# Altium PCB uC.PcbDoc
Units mil, origin at the board's own origin, x right, y up, seen from the top; angles counter-clockwise.
Board outline 3937.01 x 1062.99 mil, 2 copper layers (Top Layer, Bottom Layer); 91 components, 108 nets, 374 pads, 194 vias.
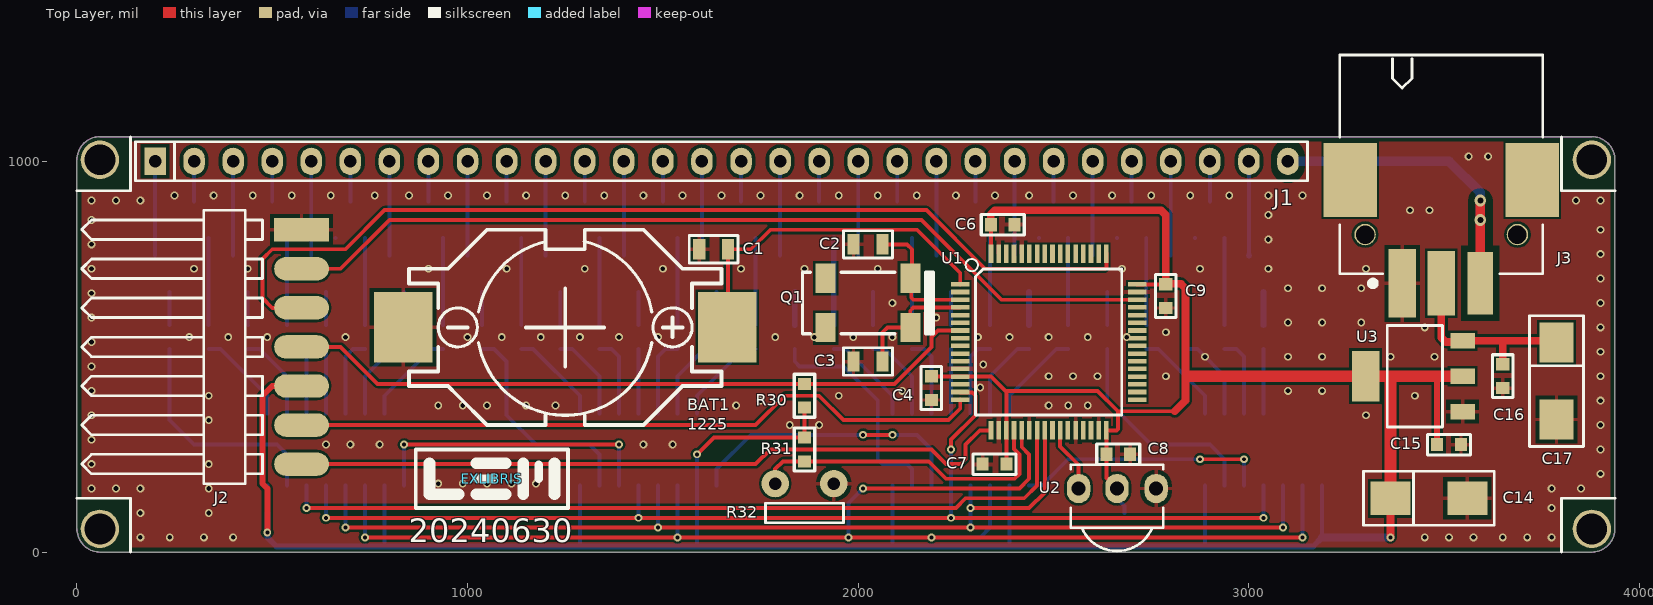
[diagram p0: Top Layer view]
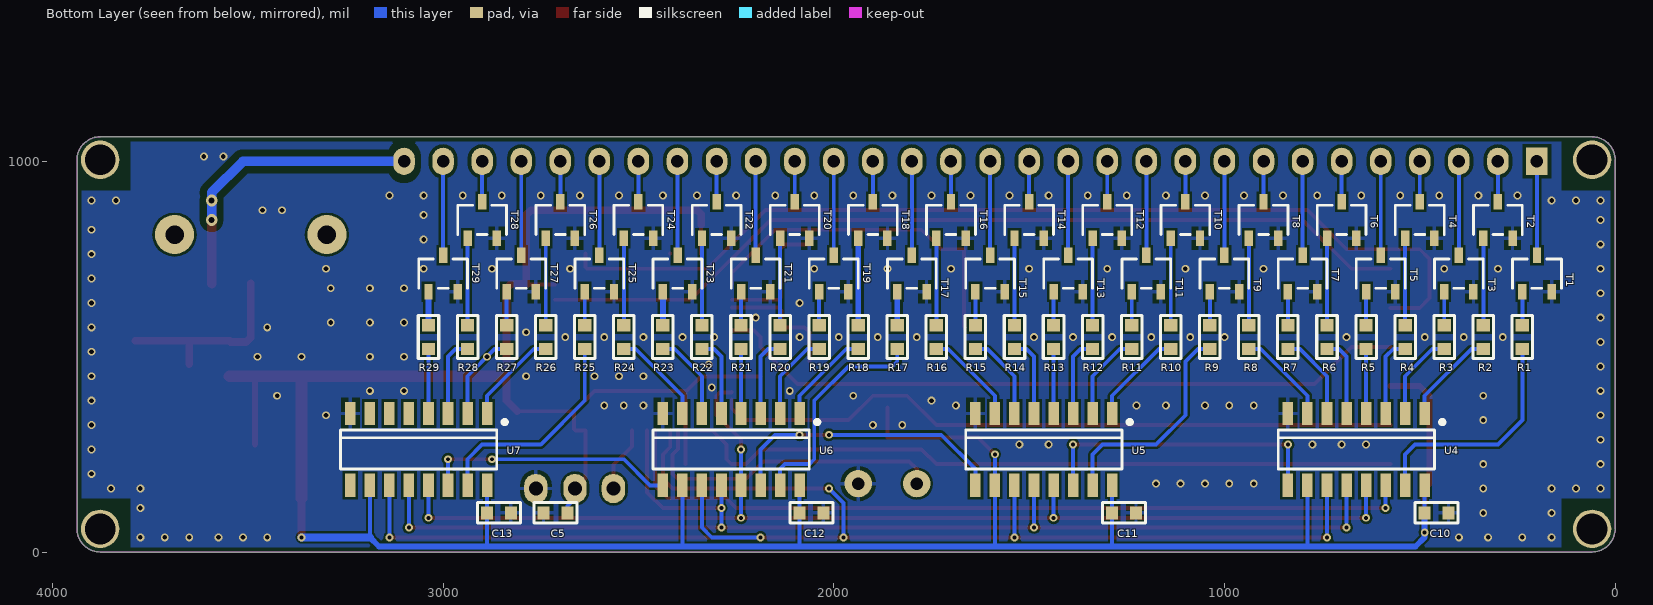
[diagram p1: Bottom Layer view, seen from below]

## Layer stack, top to bottom
Top Solder: solder mask 0.4, Solder Resist, Dk 3.5
Top Layer: signal copper 1.4
Dielectric 1: dielectric 12.6, FR-4, Dk 4.8
Bottom Layer: signal copper 1.4
Bottom Solder: solder mask 0.4, Solder Resist, Dk 3.5

## Board outline
59.06,0 cw(c59.06,59.06) 0,59.06 0,1003.94 cw(c59.06,1003.94) 59.06,1062.99 3877.95,1062.99 cw(c3877.95,1003.94) 3937.01,1003.94 3937.01,59.06 cw(c3877.95,59.06) 3877.95,0

## Design rules (kind name [scope] priority, off if disabled: settings)
Clearance [All] p1: gap=6 ignorepadtopadclearanceinfootprint=TRUE
ComponentClearance [All] p1: gap=-10 collisioncheckmode=3 verticalgap=100000 showdistances=TRUE
HoleSize [All] p1: absolutevalues=TRUE maxlimit=200 minlimit=10 maxpercent=80.000 minpercent=20.000
HoleToHoleClearance [All] p1: gap=4 allowstackedmicrovias=TRUE
MinimumSolderMaskSliver [All] p1: minsoldermaskwidth=8
PlaneClearance [All] p1: clearance=15
PlaneConnect [All] p1: pad.planeconnectstyle=Relief pad.reliefexpansion=20 pad.reliefentries=4 pad.reliefconductorwidth=10 pad.reliefairgap=15 via.planeconnectstyle=Direct via.reliefexpansion=20 via.reliefentries=4 via.reliefconductorwidth=10 via.reliefairgap=10
PolygonConnect [All] p1: thpad.connectstyle=Relief thpad.reliefconductorwidth=10 thpad.reliefentries=4 thpad.polygonreliefangle="90 Angle" thpad.airgapwidth=10 smdpad.connectstyle=Relief smdpad.reliefconductorwidth=10 smdpad.reliefentries=4 smdpad.polygonreliefangle="90 Angle" smdpad.airgapwidth=10 via.connectstyle=Direct via.reliefconductorwidth=10 via.reliefentries=4 via.polygonreliefangle="90 Angle" via.airgapwidth=10
RoomDefinition uC [InComponentClass('uC')] p1: confinementstyle=ConfineIn formatcopy=TRUE lockcomponents=FALSE outline -50,-50 3987.5,-50 3987.5,1306.25 -50,1306.25
RoutingCorners [All] p1: cornerstyle=45-Degree minsetback=25 maxsetback=25
RoutingVias [All] p1: holewidth=15 width=30 viastyle="Through Hole" minholewidth=10 minwidth=30 maxholewidth=25 maxwidth=30
ShortCircuit [All] p1: allowed=TRUE
SilkToSilkClearance [All] p1: silktosilkclearance=5
SilkToSolderMaskClearance [IsPad] p1: minsilkscreentomaskgap=8 clearancetoexposedcopper=TRUE
SolderMaskExpansion [All] p1: expansion=4 istentingtop=FALSE
UnRoutedNet [All] p1: checkbadconnections=TRUE
Width [All] p1: maxlimit=50 minlimit=10 preferedwidth=20
19 further rules are at their usual default settings.

## Components (designator, comment, footprint, x,y, rotation, side; value= is the part's Value field where it differs from the comment)
BAT1 "1225" SMTU-1225 1250,575 r180 top
C1 "1u0" C_SMD_0805 1630,775 r0 top
C2 "6p2" C_SMD_0805 2025,787.5 r0 top
C3 "6p2" C_SMD_0805 2025,487.5 r0 top
C4 "0u1" C_SMD_0603 2187.5,419.5 r270 top
C5 "0u1" C_SMD_0603 2712.5,100 r180 bottom
C6 "0u1" C_SMD_0603 2370,837.5 r180 top locked
C7 "0u1" C_SMD_0603 2349,225 r0 top
C8 "0u1" C_SMD_0603 2665.64,250 r180 top
C9 "0u1" C_SMD_0603 2787.5,655 r270 top locked
C10 "0u1" C_SMD_0603 457,100 r0 bottom locked
C11 "0u1" C_SMD_0603 1257,100 r0 bottom locked
C12 "0u1" C_SMD_0603 2057,100 r0 bottom locked
C13 "0u1" C_SMD_0603 2857,100 r0 bottom
C14 "10u" CE_T_SMC_6032_28 3460.93,137.5 r0 top
C15 "0u1" C_SMD_0603 3512.5,275 r180 top
C16 "0u1" C_SMD_0603 3650,450 r90 top
C17 "10u" CE_T_SMC_6032_28 3787.5,437.5 r270 top
EXLIBRIS "EXLIBRIS" EXLBS_2 1062.5,187.5 r0 top
J1 "30pin" SIL30 1650.11,1000.01 r0 top
J2 "7pin" SIL7_SMD_HORIZONTAL 575,525 r0 top
J3 "Con3" TE_147323-2 3492.5,687.5 r0 top
Q1 "32768" XTAL_3 2025,637.5 r180 top
R1 "15K" R_SMD_0603 237.5,550 r90 bottom
R2 "15K" R_SMD_0603 337.5,550 r90 bottom
R3 "15K" R_SMD_0603 437.5,550 r90 bottom
R4 "15K" R_SMD_0603 537.5,550 r90 bottom
R5 "15K" R_SMD_0603 637.5,550 r90 bottom
R6 "15K" R_SMD_0603 737.5,550 r90 bottom
R7 "15K" R_SMD_0603 837.5,550 r90 bottom
R8 "15K" R_SMD_0603 937.5,550 r270 bottom
R9 "15K" R_SMD_0603 1037.5,550 r90 bottom
R10 "15K" R_SMD_0603 1137.5,550 r90 bottom
R11 "15K" R_SMD_0603 1237.5,550 r90 bottom
R12 "15K" R_SMD_0603 1337.5,550 r90 bottom
R13 "15K" R_SMD_0603 1437.5,550 r270 bottom
R14 "15K" R_SMD_0603 1537.5,550 r90 bottom
R15 "15K" R_SMD_0603 1637.5,550 r90 bottom
R16 "15K" R_SMD_0603 1737.5,550 r90 bottom
R17 "15K" R_SMD_0603 1837.5,550 r90 bottom
R18 "15K" R_SMD_0603 1937.5,550 r270 bottom
R19 "15K" R_SMD_0603 2037.5,550 r90 bottom
R20 "15K" R_SMD_0603 2137.5,550 r90 bottom
R21 "15K" R_SMD_0603 2237.5,550 r90 bottom
R22 "15K" R_SMD_0603 2337.5,550 r90 bottom
R23 "15K" R_SMD_0603 2437.5,550 r270 bottom
R24 "15K" R_SMD_0603 2537.5,550 r90 bottom
R25 "15K" R_SMD_0603 2637.5,550 r90 bottom
R26 "15K" R_SMD_0603 2737.5,550 r90 bottom
R27 "15K" R_SMD_0603 2837.5,550 r90 bottom
R28 "15K" R_SMD_0603 2937.5,550 r270 bottom
R29 "15K" R_SMD_0603 3037.5,550 r90 bottom
R30 "10K" R_SMD_0603 1862.5,400 r90 top
R31 "10K" R_SMD_0603 1862.5,262.5 r270 top
R32 "PhotoRes" R_PHOTO_V 1862.5,175 r0 top
T1 "A42" "SOT-23 - Basic" 200,712.5 r180 bottom
T2 "A42" "SOT-23 - Basic" 300,850 r180 bottom
T3 "A42" "SOT-23 - Basic" 400,712.5 r180 bottom
T4 "A42" "SOT-23 - Basic" 500,850 r180 bottom
T5 "A42" "SOT-23 - Basic" 600,712.5 r180 bottom
T6 "A42" "SOT-23 - Basic" 700,850 r180 bottom
T7 "A42" "SOT-23 - Basic" 800,712.5 r180 bottom
T8 "A42" "SOT-23 - Basic" 900,850 r180 bottom
T9 "A42" "SOT-23 - Basic" 1000,712.5 r180 bottom
T10 "A42" "SOT-23 - Basic" 1100,850 r180 bottom
T11 "A42" "SOT-23 - Basic" 1200,712.5 r180 bottom
T12 "A42" "SOT-23 - Basic" 1300,850 r180 bottom
T13 "A42" "SOT-23 - Basic" 1400,712.5 r180 bottom
T14 "A42" "SOT-23 - Basic" 1500,850 r180 bottom
T15 "A42" "SOT-23 - Basic" 1600,712.5 r180 bottom
T16 "A42" "SOT-23 - Basic" 1700,850 r180 bottom
T17 "A42" "SOT-23 - Basic" 1800,712.5 r180 bottom
T18 "A42" "SOT-23 - Basic" 1900,850 r180 bottom
T19 "A42" "SOT-23 - Basic" 2000,712.5 r180 bottom
T20 "A42" "SOT-23 - Basic" 2100,850 r180 bottom
T21 "A42" "SOT-23 - Basic" 2200,712.5 r180 bottom
T22 "A42" "SOT-23 - Basic" 2300,850 r180 bottom
T23 "A42" "SOT-23 - Basic" 2400,712.5 r180 bottom
T24 "A42" "SOT-23 - Basic" 2500,850 r180 bottom
T25 "A42" "SOT-23 - Basic" 2600,712.5 r180 bottom
T26 "A42" "SOT-23 - Basic" 2700,850 r180 bottom
T27 "A42" "SOT-23 - Basic" 2800,712.5 r180 bottom
T28 "A42" "SOT-23 - Basic" 2900,850 r180 bottom
T29 "A42" "SOT-23 - Basic" 3000,712.5 r180 bottom
U1 "STM32F100R6T6" LQFP-674 2487.5,537.5 r270 top
U2 "TSOP2236" TSOP-2236 2662.5,162.5 r0 top
U3 "LD1117AS33" SOT-223 3425,450 r90 top
U4 "74HC595" SO-16_150 662.5,262.5 r0 bottom locked
U5 "74HC595" SO-16_150 1462.5,262.5 r0 bottom locked
U6 "74HC595" SO-16_150 2262.5,262.5 r0 bottom locked
U7 "74HC595" SO-16_150 3062.5,262.5 r0 bottom locked

## Footprints (in the part's own frame and the unit in brackets; to place one, negate y for a bottom-side part, rotate by r counter-clockwise, add the part's x,y. Pads: shape width x height; smd on the part's side, far side on the other; paste and mask are expansions set on the pad)
C_SMD_0603 [mil] "Metric Size - 1608"
  rect 31x34 smd: 1(-30.5,0) 2(30.5,0)
  silkscreen extent -55,-26 55,26, body extent -30,-15 30,15, height 20
C_SMD_0805 [mil] "Metric Size - 2012"
  rect 31x52 smd: 1(-37,0) 2(37,0)
  silkscreen extent -62,-35 62,35, body extent -40,-25 40,25, height 30
CE_T_SMC_6032_28 [mm] "Tantalum Cap Housing SMC type"
  rect 2.6x2.2 smd: 1(2.5,0) 2(-2.5,0)
  silkscreen extent -4.25,-1.75 4.25,1.75, body extent -3,-1.6 3,1.6, height 2.84
EXLBS_2 [mil] "Exlibris TOP Layer Hight = 180mil"
  silkscreen extent -195,-75 195,75
LQFP-674 [mm] "LQFP64 – 10 x 10 mm 64 pin low-profile quad flat package"
  rect 0.3x1.2 smd mask+0.05: 1(-3.75,-5.75) 2(-3.25,-5.75) 3(-2.75,-5.75) 4(-2.25,-5.75) 5(-1.75,-5.75) 6(-1.25,-5.75) 7(-0.75,-5.75) 8(-0.25,-5.75) 9(0.25,-5.75) 10(0.75,-5.75) 11(1.25,-5.75) 12(1.75,-5.75) 13(2.25,-5.75) 14(2.75,-5.75) 15(3.25,-5.75) 16(3.75,-5.75) 33(3.75,5.75) 34(3.25,5.75) 35(2.75,5.75) 36(2.25,5.75) 37(1.75,5.75) 38(1.25,5.75) 39(0.75,5.75) 40(0.25,5.75) 41(-0.25,5.75) 42(-0.75,5.75) 43(-1.25,5.75) 44(-1.75,5.75) 45(-2.25,5.75) 46(-2.75,5.75) 47(-3.25,5.75) 48(-3.75,5.75)
  rect 1.2x0.3 smd mask+0.05: 17(5.75,-3.75) 18(5.75,-3.25) 19(5.75,-2.75) 20(5.75,-2.25) 21(5.75,-1.75) 22(5.75,-1.25) 23(5.75,-0.75) 24(5.75,-0.25) 25(5.75,0.25) 26(5.75,0.75) 27(5.75,1.25) 28(5.75,1.75) 29(5.75,2.25) 30(5.75,2.75) 31(5.75,3.25) 32(5.75,3.75) 49(-5.75,3.75) 50(-5.75,3.25) 51(-5.75,2.75) 52(-5.75,2.25) 53(-5.75,1.75) 54(-5.75,1.25) 55(-5.75,0.75) 56(-5.75,0.25) 57(-5.75,-0.25) 58(-5.75,-0.75) 59(-5.75,-1.25) 60(-5.75,-1.75) 61(-5.75,-2.25) 62(-5.75,-2.75) 63(-5.75,-3.25) 64(-5.75,-3.75)
  silkscreen extent -5.4,-5.4 4.75,4.75, body extent -6,-6 6,6, height 1.6
R_PHOTO_V [mil] "Photoresistor Dia=5mm Vertical"
  round 70 hole 32: 1(-75,0) 2(75,0)
  silkscreen extent -100,-100 100,-50, body extent -100,-98 100,16, height 177
R_SMD_0603 [mil] "Metric Size - 1608"
  rect 31x34 smd: 1(-30.5,0) 2(30.5,0)
  silkscreen extent -55,-26 55,26, body extent -31,-16 31,16, height 18
SIL7_SMD_HORIZONTAL [mil] "TSM10702LSH"
  rect 140x60 smd: 1(0,300)
  oval 140x60 smd: 2(0,200) 3(0,100) 4(0,0) 5(0,-100) 6(0,-200) 7(0,-300)
  silkscreen extent -562,-350 -100,350, body extent -565,-350 53,350, height 118
SIL30 [mil] "Obudowa serial 30 pin"
  rect 55x70 hole 32: 1(-1450.11,-0.01)
  oval 55x70 hole 32: 2(-1350.11,-0.01) 3(-1250.11,-0.01) 4(-1150.11,-0.01) 5(-1050.11,-0.01) 6(-950.11,-0.01) 7(-850.11,-0.01) 8(-750.11,-0.01) 9(-650.11,-0.01) 10(-550.11,-0.01) 11(-450.11,-0.01) 12(-350.11,-0.01) 13(-250.11,-0.01) 14(-150.11,-0.01) 15(-50.11,-0.01) 16(50,0) 17(150,0) 18(250,0) 19(350,0) 20(450,0) 21(550,0) 22(650,0) 23(750,0) 24(850,0) 25(950,0) 26(1050,0) 27(1150,0) 28(1250,0) 29(1350,0) 30(1450,0)
  silkscreen extent -1500,-50 1500,50, body extent -1500,-50 1500,50, height 309
SMTU-1225 [mil] "Battery holder for 1225 cell battery"
  rect 150x180 smd: 1(-415,0) 2(415,0)
  silkscreen extent -400,-250 400,250, body extent -463,-239 463,246, height 194
SO-16_150 [mil] "SO-16, 150mil wide"
  rect 27x60 smd mask+1.97: 1(-175,-92) 2(-125,-92) 3(-75,-92) 4(-25,-92) 5(25,-92) 6(75,-92) 7(125,-92) 8(175,-92) 9(175,92) 10(125,92) 11(75,92) 12(25,92) 13(-25,92) 14(-75,92) 15(-125,92) 16(-175,92)
  silkscreen extent -225,-75 200,50, body extent -195,-118 195,118, height 55
"SOT-23 - Basic" [mm] "Small Outline Transistor package"
  rect 0.55x1 smd: 1(-0.95,-1.185) 2(0.95,-1.185) 3(0,1.185)
  silkscreen extent -1.59,-0.95 1.59,0.95, body extent -1.5,-1.15 1.5,1.15, height 1.08
SOT-223 [mm] "SOT-223 reference pattern layout"
  rect 1x1.6 smd mask+0.08: 1(-2.3,-3.1) 2(0,-3.1) 3(2.3,-3.1)
  rect 3.3x1.8 smd mask+0.08: 2(0,3.2)
  silkscreen extent -3.3,-1.8 3.3,1.8, body extent -3.25,-3.38 3.25,3.58, height 1.66
TE_147323-2 [mil] "AMPMODU MTE 3pin"
  rect 136x190 smd: 0(-233,265) 0(233,265)
  round 55 / inner round 65 / far side round 100 hole 47.24: 0(-195,125) 0(195,125)
  rect 70x175 smd: 1(-100,0)
  rect 70x165 smd: 2(0,0)
  rect 65x160 smd: 3(100,0)
  silkscreen extent -260,-8 260,585, body extent -264,-75 264,580, height 291
TSOP-2236 [mm] "IR Receiver Modules for Remote Control"
  oval 1.524x1.905 hole 0.9: 1(-2.5,0) 2(0,0) 3(2.54,0)
  silkscreen extent -3,-4.06 3,1.55, body extent -3,-4.25 3,1.55, height 10.38
XTAL_3 [mm] "ABS25 Series - Land Pattern"
  rect 1.3x1.9 smd mask+0.08: 0(2.75,1.6) 0(2.75,-1.6) 1(-2.75,-1.6) 2(-2.75,1.6)
  silkscreen extent -4.25,-2 4.25,2, body extent -4.2,-2.05 4.2,2.05, height 2.65

## Part data
BAT1: library part BAT_3V, "Bateria Litowa 3V"
C1 C2 C3 C4 C5 C6 C7 C8 C9 C10 C11 C12 C13 C15 C16: library part C, "Kondensator monolityczny"
C14 C17: library part CE, "Kondensator elektrolityczny"
EXLIBRIS: library part EXLBR
J1: library part "CON 30pin"
J2: library part "CON 7pin", "Connector 7pin"
J3: library part "CON 3pin", "Connector 3pin"
Q1: library part Q, "Rezonator kwarcowy"
R1 R2 R3 R4 R5 R6 R7 R8 R9 R10 R11 R12 R13 R14 R15 R16 R17 R18 R19 R20 R21 R22 R23 R24 R25 R26 R27 R28 R29 R30 R31: library part R, "Resistor"
R32: library part R_Ph, "Photo resistor"
T1 T2 T3 T4 T5 T6 T7 T8 T9 T10 T11 T12 T13 T14 T15 T16 T17 T18 T19 T20 T21 T22 T23 T24 T25 T26 T27 T28 T29: library part MMBTA42, "High Voltage NPN transistor"
U2: library part "IR Reciver"
U3: library part AMS1117_3V3
U4 U5 U6 U7: library part 74595, "8-bit shift registers with 3-state output"

## Free pads (board coordinates)
  round 98.43 hole 78.74: 0(59.06,59.06) 0(59.06,1003.94) 0(3877.95,59.06) 0(3877.95,1003.94)

## Via types
v1: diameter 20, hole 12, Top Layer to Bottom Layer, tented both sides, 166 vias
v2: diameter 20, hole 10, Top Layer to Bottom Layer, tented both sides, 26 vias
v3: diameter 30, hole 15, Top Layer to Bottom Layer, tented both sides, 2 vias

## Nets (pads, with @x,y where several pads share a name; then routed paths per layer and width w, separated by ;. In a path a pad name is that pad's centre, name@x,y a point inside that pad or via, vN(x,y) a via of type N, cw(c..) or ccw(c..) an arc to the next point about the centre after c; other vN are vias at no path point)
+3V3: C4.1 C5.2 C6.2 C7.2 C8.2 C9.1 C10.2 C11.2 C12.2 C13.2 C14.2 C15.2 J2.5 R30.1 R31.1 U1.13 U1.19 U1.32 U1.48 U1.64 U2.2 U3.2 U4.10 U4.16 U5.10 U5.16 U6.10 U6.16 U7.10 U7.16 | length 8657.5
  Top Layer w10: v2(1587.5,250) 1630.5,293 R31.1 R30.1 ; C4.1@2187.5,448.92 U1.13 2339.86,448.92 2379.23,409.55 U1.19 2379.23,225.27 C7.2 ; U1.64 C6.2@2339.86,837.5 ; 2379.23,412.5 2612.5,412.5 2664.67,360.33 ; U2.2 2635.14,189.86 C8.2 U1.32 2661.12,311.12 2664.67,314.67 2664.67,360.33 ; U1.48 C9.1@2787.14,685.14 ; 2810.33,360.33 2664.67,360.33
  Top Layer w15: v2(487.5,50) 487.5,162.5 475,175 475,400 500,425 J2.5 ; 3475,450 3482,443 C15.2
  Top Layer w20: C6.2 2339.5,864.5 2350,875 2775,875 2787.14,862.86 C9.1@2787.14,685.14 ; C9.1 C9.1@2788.5,686.5 ; C9.1@2789.5,687.5 C9.1@2788.5,686.5 ; 2810.33,360.33 2837.5,387.5 2837.5,675 2826,686.5 C9.1@2788.5,686.5 ; v2(3362.5,37.5) C14.2
  Top Layer w30: 2850,450 3299.02,450 3362.5,450 ; C14.2 3362.5,450 ; U3.2@3547.05,450 3475,450 3362.5,450
  Bottom Layer w10: C10.2 U4.16 ; 787.5,14 U4.10 ; 1287.5,14 C11.2 U5.16 ; 1587.5,14 U5.10 v2(1587.5,250) ; 2087.5,14 C12.2 U6.16 ; 2387.5,14 U6.10 ; U2.2@2662.5,175 U2.2 2662.5,137.5 2682,118 C5.2 ; 2887.5,14 C13.2 U7.16 ; 3187.5,37.5 U7.10
  Bottom Layer w15: C10.2 v2(487.5,50) 487.5,37.5 511,14 787.5,14 1287.5,14 1587.5,14 2087.5,14 2387.5,14 2887.5,14 3164,14 3187.5,37.5
  Bottom Layer w20: 3187.5,37.5 v2(3362.5,37.5)
+12V: C16.2 C17.2 J3.2 U3.3 | length 499.5
  Top Layer w20: J3.2 3492.5,549.22 3504.22,537.5 3544,537.5 U3.3 3650,540.55 ; C16.2 3650,540.55 ; C17.2@3787.5,540.55 3650,540.55
+170V: J1.30 J3.3 | length 808
  Top Layer w25: J3.3 v3(3592.5,850) v3(3592.5,900)
  Bottom Layer w25: J1.30 3512.49,1000.01 3592.5,920 v3(3592.5,900) v3(3592.5,850)
DG1: R1.1 U4.15 | length 597.7
  Bottom Layer w10: R1.1 237.5,337.5 300,275 512.5,275 537.5,250 U4.15
DG2: R2.1 U4.1 | length 245
  Bottom Layer w10: R2.1 368,519.5 487.5,400 U4.1
DM0: R19.1 U6.2 | length 224.3
  Bottom Layer w10: R19.1 2068,519.5 2137.5,450 U6.2
DM1: R14.1 U5.5 | length 203.6
  Bottom Layer w10: U5.5 1487.5,500 1507,519.5 R14.1
DM2: R15.1 U5.6 | length 224.3
  Bottom Layer w10: U5.6 1537.5,450 1607,519.5 R15.1
DM3: R16.1 U5.7 | length 245
  Bottom Layer w10: U5.7 1587.5,400 1707,519.5 R16.1
DM4: R17.1 U6.15 | length 575.8
  Bottom Layer w10: R17.1 1837.5,487.5 1850,475 1962.5,475 2050,387.5 2050,237.5 2062.5,225 2125,225 2137.5,212.5 U6.15
DM5: R18.2 U6.1 | length 245
  Bottom Layer w10: R18.2 1968,519.5 2087.5,400 U6.1
GND: BAT1.2 C1.1 C2.1 C3.1 C4.2 C5.1 C6.1 C7.1 C8.1 C9.2 C10.1 C11.1 C12.1 C13.1 C14.1 C15.1 C16.1 C17.1 J2.1 J3.1 R32.2 T1.2 T2.2 T3.2 T4.2 T5.2 T6.2 T7.2 T8.2 T9.2 T10.2 T11.2 T12.2 T13.2 T14.2 T15.2 T16.2 T17.2 T18.2 T19.2 T20.2 T21.2 T22.2 T23.2 T24.2 T25.2 T26.2 T27.2 T28.2 T29.2 U1.12 U1.18 U1.22 U1.28 U1.31 U1.47 U1.60 U1.63 U2.3 U3.1 U4.8 U5.8 U6.8 U7.8 | length 0.8
  Top Layer w10: U1.60 U1.60@2418.75,764.03
  Bottom Layer w10: T6.2@662.5,803.44 T6.2 ; T24.2@2462.5,803.44 T24.2 ; T26.2@2662.5,803.44 T26.2 ; T28.2@2862.5,803.44 T28.2
  other v1: 162.5,37.5 237.5,37.5 325,37.5 400,37.5 3450,37.5 3512.5,37.5 3575,37.5 3650,37.5 3712.5,37.5 3775,37.5 162.5,100 337.5,100 3775,112.5 37.5,162.5 100,162.5 162.5,162.5 337.5,162.5 3775,162.5 3850,162.5 925,175 987.5,175 1050,175 1112.5,175 1175,175 3900,200 37.5,225 337.5,225 3900,262.5 637.5,275 700,275 775,275 1450,275 1525,275 37.5,287.5 1825,325 1900,325 3900,325 337.5,337.5 37.5,350 3300,350 925,375 987.5,375 1050,375 1150,375 1225,375 1687.5,375 2487.5,375 2537.5,375 2587.5,375 1750,387.5 3900,387.5 337.5,400 1950,400 3425,400 37.5,412.5 2112.5,412.5 3100,412.5 3187.5,412.5 2312.5,421 2487.5,450 2550,450 2612.5,450 2787.5,450 3900,450 37.5,475 2320,480 2887.5,500 3100,500 3187.5,500 3362.5,500 3475,500 3900,512.5 37.5,537.5 287.5,550 387.5,550 487.5,550 687.5,550 1000,550 1087.5,550 1187.5,550 1287.5,550 1387.5,550 1487.5,550 1787.5,550 1887.5,550 1987.5,550 2087.5,550 2306.25,550 2387.5,550 2487.5,550 2587.5,550 2687.5,550 2787.5,562.5 3450,575 3900,575 3100,587.5 3187.5,587.5 3287.5,587.5 37.5,600 2200,600 2087.5,637.5 3900,637.5 37.5,662.5 3100,675 3187.5,675 3287.5,675 3900,700 37.5,725 300,725 437.5,725 900,725 1100,725 1300,725 1500,725 1700,725 1862.5,725 2050,725 2675,725 2875,725 3050,725 3300,725 3900,762.5 37.5,787.5 3050,800 3900,825 37.5,850 3050,862.5 3412.5,875 3462.5,875 37.5,900 100,900 162.5,900 3837.5,900 3900,900 250,912.5 350,912.5 450,912.5 550,912.5 650,912.5 762.5,912.5 850,912.5 950,912.5 1050,912.5 1150,912.5 1250,912.5 1350,912.5 1450,912.5 1550,912.5 1650,912.5 1750,912.5 1850,912.5 1950,912.5 2050,912.5 2150,912.5 2250,912.5 2350,912.5 2437.5,912.5 2550,912.5 2650,912.5 2750,912.5 2850,912.5 2950,912.5 3050,912.5 3137.5,912.5 3562.5,1012.5 3612.5,1012.5
IN: U1.23 U4.14 | length 2093.1
  Top Layer w10: v2(587.5,112.5) 2250,112.5 2275,137.5 2425,137.5 2457.97,170.47 U1.23
  Bottom Layer w10: v2(587.5,112.5) U4.14
IR: U1.26 U2.1 | length 168.1
  Top Layer w10: U1.26 2517.03,270.47 2564.07,223.43 U2.1
JG0: R12.1 U5.3 | length 203.6
  Bottom Layer w10: R12.1 1368,519.5 1387.5,500 U5.3
JG1: R3.1 U4.2 | length 224.3
  Bottom Layer w10: R3.1 468,519.5 537.5,450 U4.2
JG2: R4.1 U4.3 | length 203.6
  Bottom Layer w10: R4.1 568,519.5 587.5,500 U4.3
JG3: R5.1 U4.4 | length 165
  Bottom Layer w10: U4.4 R5.1
JG4: R6.1 U4.5 | length 203.6
  Bottom Layer w10: U4.5 687.5,500 707,519.5 R6.1
JG5: R7.1 U4.6 | length 224.3
  Bottom Layer w10: U4.6 737.5,450 807,519.5 R7.1
JG6: R8.2 U4.7 | length 245
  Bottom Layer w10: U4.7 787.5,400 907,519.5 R8.2
JG7: R9.1 U5.15 | length 571.7
  Bottom Layer w10: R9.1 1068,519.5 1100,487.5 1100,350 1175,275 1312.5,275 1337.5,250 U5.15
JG8: R10.1 U5.1 | length 245
  Bottom Layer w10: R10.1 1168,519.5 1287.5,400 U5.1
JG9: R11.1 U5.2 | length 224.3
  Bottom Layer w10: R11.1 1268,519.5 1337.5,450 U5.2
JM0: R29.1 U7.4 | length 165
  Bottom Layer w10: U7.4 R29.1
JM1: R20.1 U6.3 | length 203.6
  Bottom Layer w10: R20.1 2168,519.5 2187.5,500 U6.3
JM2: R21.1 U6.4 | length 165
  Bottom Layer w10: U6.4 R21.1
JM3: R22.1 U6.5 | length 203.6
  Bottom Layer w10: U6.5 2287.5,500 2307,519.5 R22.1
JM4: R23.2 U6.6 | length 224.3
  Bottom Layer w10: U6.6 2337.5,450 2407,519.5 R23.2
JM5: R24.1 U6.7 | length 245
  Bottom Layer w10: U6.7 2387.5,400 2507,519.5 R24.1
JM6: R25.1 U7.15 | length 561.1
  Bottom Layer w10: R25.1 2637.5,387.5 2750,275 2900,275 2937.5,237.5 U7.15
JM7: R26.1 U7.1 | length 245
  Bottom Layer w10: R26.1 2768,519.5 2887.5,400 U7.1
JM8: R27.1 U7.2 | length 224.3
  Bottom Layer w10: R27.1 2868,519.5 2937.5,450 U7.2
JM9: R28.2 U7.3 | length 203.6
  Bottom Layer w10: R28.2 2968,519.5 2987.5,500 U7.3
NetBAT1_1: BAT1.1 C1.2 U1.1 | length 890.4
  Top Layer w10: BAT1.1 1667,577 C1.2 1725,775 1775,825 2150,825 2261.12,713.88 U1.1
NetC2_2: C2.2 Q1.1 U1.3 | length 332.4
  Top Layer w10: C2.2 2125,787.5 2137.5,775 2137.5,699.51 2135.87,697.89 2135.87,651.63 2141.73,645.77 U1.3
NetC3_2: C3.2 Q1.2 U1.4 | length 325.4
  Top Layer w10: C3.2 2062.5,488 2062.5,562.5 2074.51,574.51 Q1.2 2133.27,617.62 2141.73,626.08 U1.4
NetJ1_1: J1.1 T1.3 | length 240.8
  Bottom Layer w10: T1.3 J1.1
NetJ1_2: J1.2 T2.3 | length 103.3
  Bottom Layer w10: T2.3 J1.2
NetJ1_3: J1.3 T3.3 | length 240.8
  Bottom Layer w10: T3.3 J1.3
NetJ1_4: J1.4 T4.3 | length 103.3
  Bottom Layer w10: T4.3 J1.4
NetJ1_5: J1.5 T5.3 | length 240.8
  Bottom Layer w10: T5.3 J1.5
NetJ1_6: J1.6 T6.3 | length 103.3
  Bottom Layer w10: T6.3 J1.6
NetJ1_7: J1.7 T7.3 | length 240.8
  Bottom Layer w10: T7.3 J1.7
NetJ1_8: J1.8 T8.3 | length 103.3
  Bottom Layer w10: T8.3 J1.8
NetJ1_9: J1.9 T9.3 | length 240.8
  Bottom Layer w10: T9.3 J1.9
NetJ1_10: J1.10 T10.3 | length 103.3
  Bottom Layer w10: T10.3 J1.10
NetJ1_11: J1.11 T11.3 | length 240.8
  Bottom Layer w10: T11.3 J1.11
NetJ1_12: J1.12 T12.3 | length 103.3
  Bottom Layer w10: T12.3 J1.12
NetJ1_13: J1.13 T13.3 | length 240.8
  Bottom Layer w10: T13.3 J1.13
NetJ1_14: J1.14 T14.3 | length 103.3
  Bottom Layer w10: T14.3 J1.14
NetJ1_15: J1.15 T15.3 | length 240.8
  Bottom Layer w10: T15.3 J1.15
NetJ1_16: J1.16 T16.3 | length 103.4
  Bottom Layer w10: T16.3 1700.05,896.71 J1.16 J1.16
NetJ1_17: J1.17 T17.3 | length 240.9
  Bottom Layer w10: T17.3 1800.05,759.21 J1.17 J1.17
NetJ1_18: J1.18 T18.3 | length 103.4
  Bottom Layer w10: T18.3 1900.05,896.71 J1.18 J1.18
NetJ1_19: J1.19 T19.3 | length 240.9
  Bottom Layer w10: T19.3 2000.05,759.21 J1.19 J1.19
NetJ1_20: J1.20 T20.3 | length 103.4
  Bottom Layer w10: T20.3 2100.05,896.71 J1.20 J1.20
NetJ1_21: J1.21 T21.3 | length 240.9
  Bottom Layer w10: T21.3 2200.05,759.21 J1.21 J1.21
NetJ1_22: J1.22 T22.3 | length 103.4
  Bottom Layer w10: T22.3 2300.05,896.71 J1.22 J1.22
NetJ1_23: J1.23 T23.3 | length 240.9
  Bottom Layer w10: T23.3 2400.05,759.21 J1.23 J1.23
NetJ1_24: J1.24 T24.3 | length 103.4
  Bottom Layer w10: T24.3 2500.05,896.71 J1.24 J1.24
NetJ1_25: J1.25 T25.3 | length 240.9
  Bottom Layer w10: T25.3 2600.05,759.21 J1.25 J1.25
NetJ1_26: J1.26 T26.3 | length 103.4
  Bottom Layer w10: T26.3 2700.05,896.71 J1.26 J1.26
NetJ1_27: J1.27 T27.3 | length 240.9
  Bottom Layer w10: T27.3 2800.05,759.21 J1.27 J1.27
NetJ1_28: J1.28 T28.3 | length 103.4
  Bottom Layer w10: T28.3 2900.05,896.71 J1.28 J1.28
NetJ1_29: J1.29 T29.3 | length 240.9
  Bottom Layer w10: T29.3@3000.05,759.21 J1.29
  Bottom Layer w15: T29.3 T29.3@3000.05,759.21 ; J1.29 J1.29
NetJ2_2: J2.2 U1.46 | length 2275.3
  Top Layer w10: J2.2 675,725 800,850 2162.5,850 2366.73,645.77 U1.46
NetJ2_3: J2.3 U1.49 | length 2521
  Top Layer w10: J2.3 500,625 475,650 475,750 500,775 687.5,775 787.5,875 2175,875 2325,725 2631.25,725 2635.14,728.89 U1.49
NetJ2_4: J2.4 R30.2 U1.7 | length 1796.5
  Top Layer w10: J2.4 675,525 769.5,430.5 R30.2 2093,430.5 2187.5,525 2187.5,550 2204.53,567.03 U1.7
NetR1_2: R1.2 T1.1 | length 85.4
  Bottom Layer w10: T1.1 237.4,580.6 R1.2
NetR2_2: R2.2 T2.1 | length 222.9
  Bottom Layer w10: T2.1 337.4,580.6 R2.2
NetR3_2: R3.2 T3.1 | length 85.4
  Bottom Layer w10: T3.1 437.4,580.6 R3.2
NetR4_2: R4.2 T4.1 | length 222.9
  Bottom Layer w10: T4.1 537.4,580.6 R4.2
NetR5_2: R5.2 T5.1 | length 85.4
  Bottom Layer w10: T5.1 637.4,580.6 R5.2
NetR6_2: R6.2 T6.1 | length 222.9
  Bottom Layer w10: T6.1 737.4,580.6 R6.2
NetR7_2: R7.2 T7.1 | length 85.4
  Bottom Layer w10: T7.1 837.4,580.6 R7.2
NetR8_1: R8.1 T8.1 | length 222.9
  Bottom Layer w10: T8.1 937.4,580.6 R8.1
NetR9_2: R9.2 T9.1 | length 85.4
  Bottom Layer w10: T9.1 1037.4,580.6 R9.2
NetR10_2: R10.2 T10.1 | length 222.9
  Bottom Layer w10: T10.1 1137.4,580.6 R10.2
NetR11_2: R11.2 T11.1 | length 85.4
  Bottom Layer w10: T11.1 1237.4,580.6 R11.2
NetR12_2: R12.2 T12.1 | length 222.9
  Bottom Layer w10: T12.1 1337.4,580.6 R12.2
NetR13_1: R13.1 T13.1 | length 85.4
  Bottom Layer w10: T13.1 1437.4,580.6 R13.1
NetR14_2: R14.2 T14.1 | length 222.9
  Bottom Layer w10: T14.1 1537.4,580.6 R14.2
NetR15_2: R15.2 T15.1 | length 85.4
  Bottom Layer w10: T15.1 1637.4,580.6 R15.2
NetR16_2: R16.2 T16.1 | length 222.9
  Bottom Layer w10: T16.1 1737.4,580.6 R16.2
NetR17_2: R17.2 T17.1 | length 85.4
  Bottom Layer w15: T17.1 1837.45,665.8 R17.2 R17.2
NetR18_1: R18.1 T18.1 | length 222.9
  Bottom Layer w15: T18.1 1937.45,803.3 R18.1 R18.1
NetR19_2: R19.2 T19.1 | length 85.4
  Bottom Layer w10: T19.1 2037.4,580.6 R19.2
NetR20_2: R20.2 T20.1 | length 222.9
  Bottom Layer w10: T20.1 2137.4,580.6 R20.2
NetR21_2: R21.2 T21.1 | length 85.4
  Bottom Layer w10: T21.1 2237.4,580.6 R21.2
NetR22_2: R22.2 T22.1 | length 222.9
  Bottom Layer w10: T22.1 2337.4,580.6 R22.2
NetR23_1: R23.1 T23.1 | length 85.4
  Bottom Layer w15: T23.1 2437.45,665.8 R23.1 R23.1
NetR24_2: R24.2 T24.1 | length 222.9
  Bottom Layer w10: T24.1 2537.4,580.6 R24.2
NetR25_2: R25.2 T25.1 | length 85.4
  Bottom Layer w10: T25.1 2637.4,580.6 R25.2
NetR26_2: R26.2 T26.1 | length 222.9
  Bottom Layer w10: T26.1 2737.4,580.6 R26.2
NetR27_2: R27.2 T27.1 | length 85.4
  Bottom Layer w10: T27.1 2837.4,580.6 R27.2
NetR28_1: R28.1 T28.1 | length 222.9
  Bottom Layer w10: T28.1 2937.4,580.6 R28.1
NetR29_2: R29.2 T29.1 | length 85.4
  Bottom Layer w15: T29.1 3037.45,665.8 R29.2 R29.2
NetU4_9: U4.9 U5.14 | length 759
  Top Layer w10: v2(837.5,275) v2(1387.5,275)
  Bottom Layer w10: U4.9 v2(837.5,275) ; U5.14 v2(1387.5,275)
NetU5_9: U5.9 U6.14 | length 735.8
  Top Layer w10: v2(2012.5,300) v2(2087.5,300)
  Bottom Layer w10: U5.9 1637.5,212.5 1725,300 v2(2012.5,300) ; v2(2087.5,300) 2150,300 2187.5,262.5 U6.14
NetU6_9: U6.9 U7.14 | length 644.8
  Top Layer w10: v2(2875,237.5) v2(2987.5,237.5)
  Bottom Layer w10: U6.9 2470.5,170.5 2537.5,237.5 v2(2875,237.5) ; U7.14 v2(2987.5,237.5)
OE: U1.15 U4.13 U5.13 U6.13 U7.13 | length 3005.2
  Top Layer w10: v2(637.5,87.5) v2(1437.5,87.5) v2(2237.5,87.5) v2(3037.5,87.5) ; v2(2237.5,262.5) 2237.5,287.5 2300,350 2300,400 2291.36,408.64 2262.03,408.64 U1.15
  Bottom Layer w10: 637.5,100 U4.13 ; v2(1437.5,87.5) U5.13 ; 2237.5,100 U6.13 v2(2237.5,262.5) ; v2(3037.5,87.5) U7.13
P_Res: R31.2 R32.1 U1.20 | length 810.9
  Top Layer w10: R32.1 1787.5,212.5 1807,232 R31.2 2180.5,232 2225,187.5 2400,187.5 2412.5,200 2412.5,250 2398.92,263.58 U1.20
RCLK: U1.24 U4.12 U5.12 U6.12 U7.12 | length 3172.3
  Top Layer w10: v2(687.5,62.5) v2(1487.5,62.5) v2(2287.5,62.5) v2(3087.5,62.5) ; v2(2287.5,112.5) 2437.5,112.5 2477.66,152.66 U1.24
  Bottom Layer w10: 687.5,75 U4.12 ; 1487.5,75 U5.12 ; v2(2287.5,62.5) v2(2287.5,112.5) U6.12 ; v2(3087.5,62.5) U7.12
SEP: R13.2 U5.4 | length 165
  Bottom Layer w10: U5.4 R13.2
SRCLK: U1.21 U4.11 U5.11 U6.11 U7.11 | length 3762.2
  Top Layer w10: v2(737.5,37.5) v2(1537.5,37.5) v2(1975,37.5) v2(3137.5,37.5) ; v2(2012.5,162.5) 2412.5,162.5 2437.5,187.5 2437.5,250 2418.6,268.9 U1.21
  Bottom Layer w10: 737.5,50 U4.11 ; v2(1537.5,37.5) U5.11 ; v2(1975,37.5) 1975,125 v2(2012.5,162.5) ; v2(2187.5,37.5) 2312.5,37.5 2337.5,62.5 U6.11 ; v2(3137.5,37.5) U7.11
USART2_RX: J2.7 U1.17 | length 1853.6
  Top Layer w10: J2.7 1737.5,225 1775,262.5 2187.5,262.5 2225,225 2262.5,225 2275,237.5 2275,275 2311.12,311.12 U1.17
USART2_TX: J2.6 U1.16 | length 1777.9
  Top Layer w10: J2.6 1737.5,325 1812.5,400 1900,400 1962.5,337.5 2231.25,337.5 2261.12,367.37 U1.16
pads on no net: J3.0 Q1.0 U1.2 U1.5 U1.6 U1.8 U1.9 U1.10 U1.11 U1.14 U1.25 U1.27 U1.29 U1.30 U1.33 U1.34 U1.35 U1.36 U1.37 U1.38 U1.39 U1.40 U1.41 U1.42 U1.43 U1.44 U1.45 U1.50 U1.51 U1.52 U1.53 U1.54 U1.55 U1.56 U1.57 U1.58 U1.59 U1.61 U1.62 U7.5 U7.6 U7.7 U7.9

## Polygon pours and split planes (outlines as drawn)
GND on Bottom Layer "Heatsink_GND" (solid, pour order 2): 12.5,925 137.5,925 137.5,1050 3800,1050 3800,925 3925,925 3925,137.5 3800,137.5 3800,12.5 137.5,12.5 137.5,137.5 12.5,137.5
GND on Top Layer "Heatsink_GND" (solid, remove dead copper, pour order 0): 12.5,925 137.5,925 137.5,1050 3800,1050 3800,925 3925,925 3925,137.5 3800,137.5 3800,12.5 137.5,12.5 137.5,137.5 12.5,137.5

## Keep-outs
Keep-Out Layer:
  the board outline again, w1

## Silkscreen, mask and mechanical layers (free items; w line width, h text height)
Top Overlay:
  lines w7: 0,137.5 137.5,137.5 137.5,0 ; 0,925 137.5,925 137.5,1062.5 ; 3800,0 3800,137.5 3937.5,137.5 ; 3800,1062.5 3800,925 3937.5,925
  text "GND" at -390,785 h40
  text "SWDIO" at -390,685 h40
  text "SWCLK" at -390,578.75 h40
  text "NRST" at -390,478.75 h40
  text "+3.3V" at -390,385 h40
  text "USART_TX" at -390,291.66 h40
  text "USART_RX" at -390,191.66 h40
  text "20240630" at 850,25 h60